# Altium PCB host_board.PcbDoc (part 3 of 8)
Units mm, origin at the board's own origin, x right, y up, seen from the top; angles counter-clockwise.
Board outline 87.41 x 55.77 mm, 4 copper layers (Top Layer, GND, Power, Bottom Layer), stack 1.59 mm thick; 232 components, 252 nets, 1101 pads, 689 vias.
Unrouted connection lines stored in the file: 17.
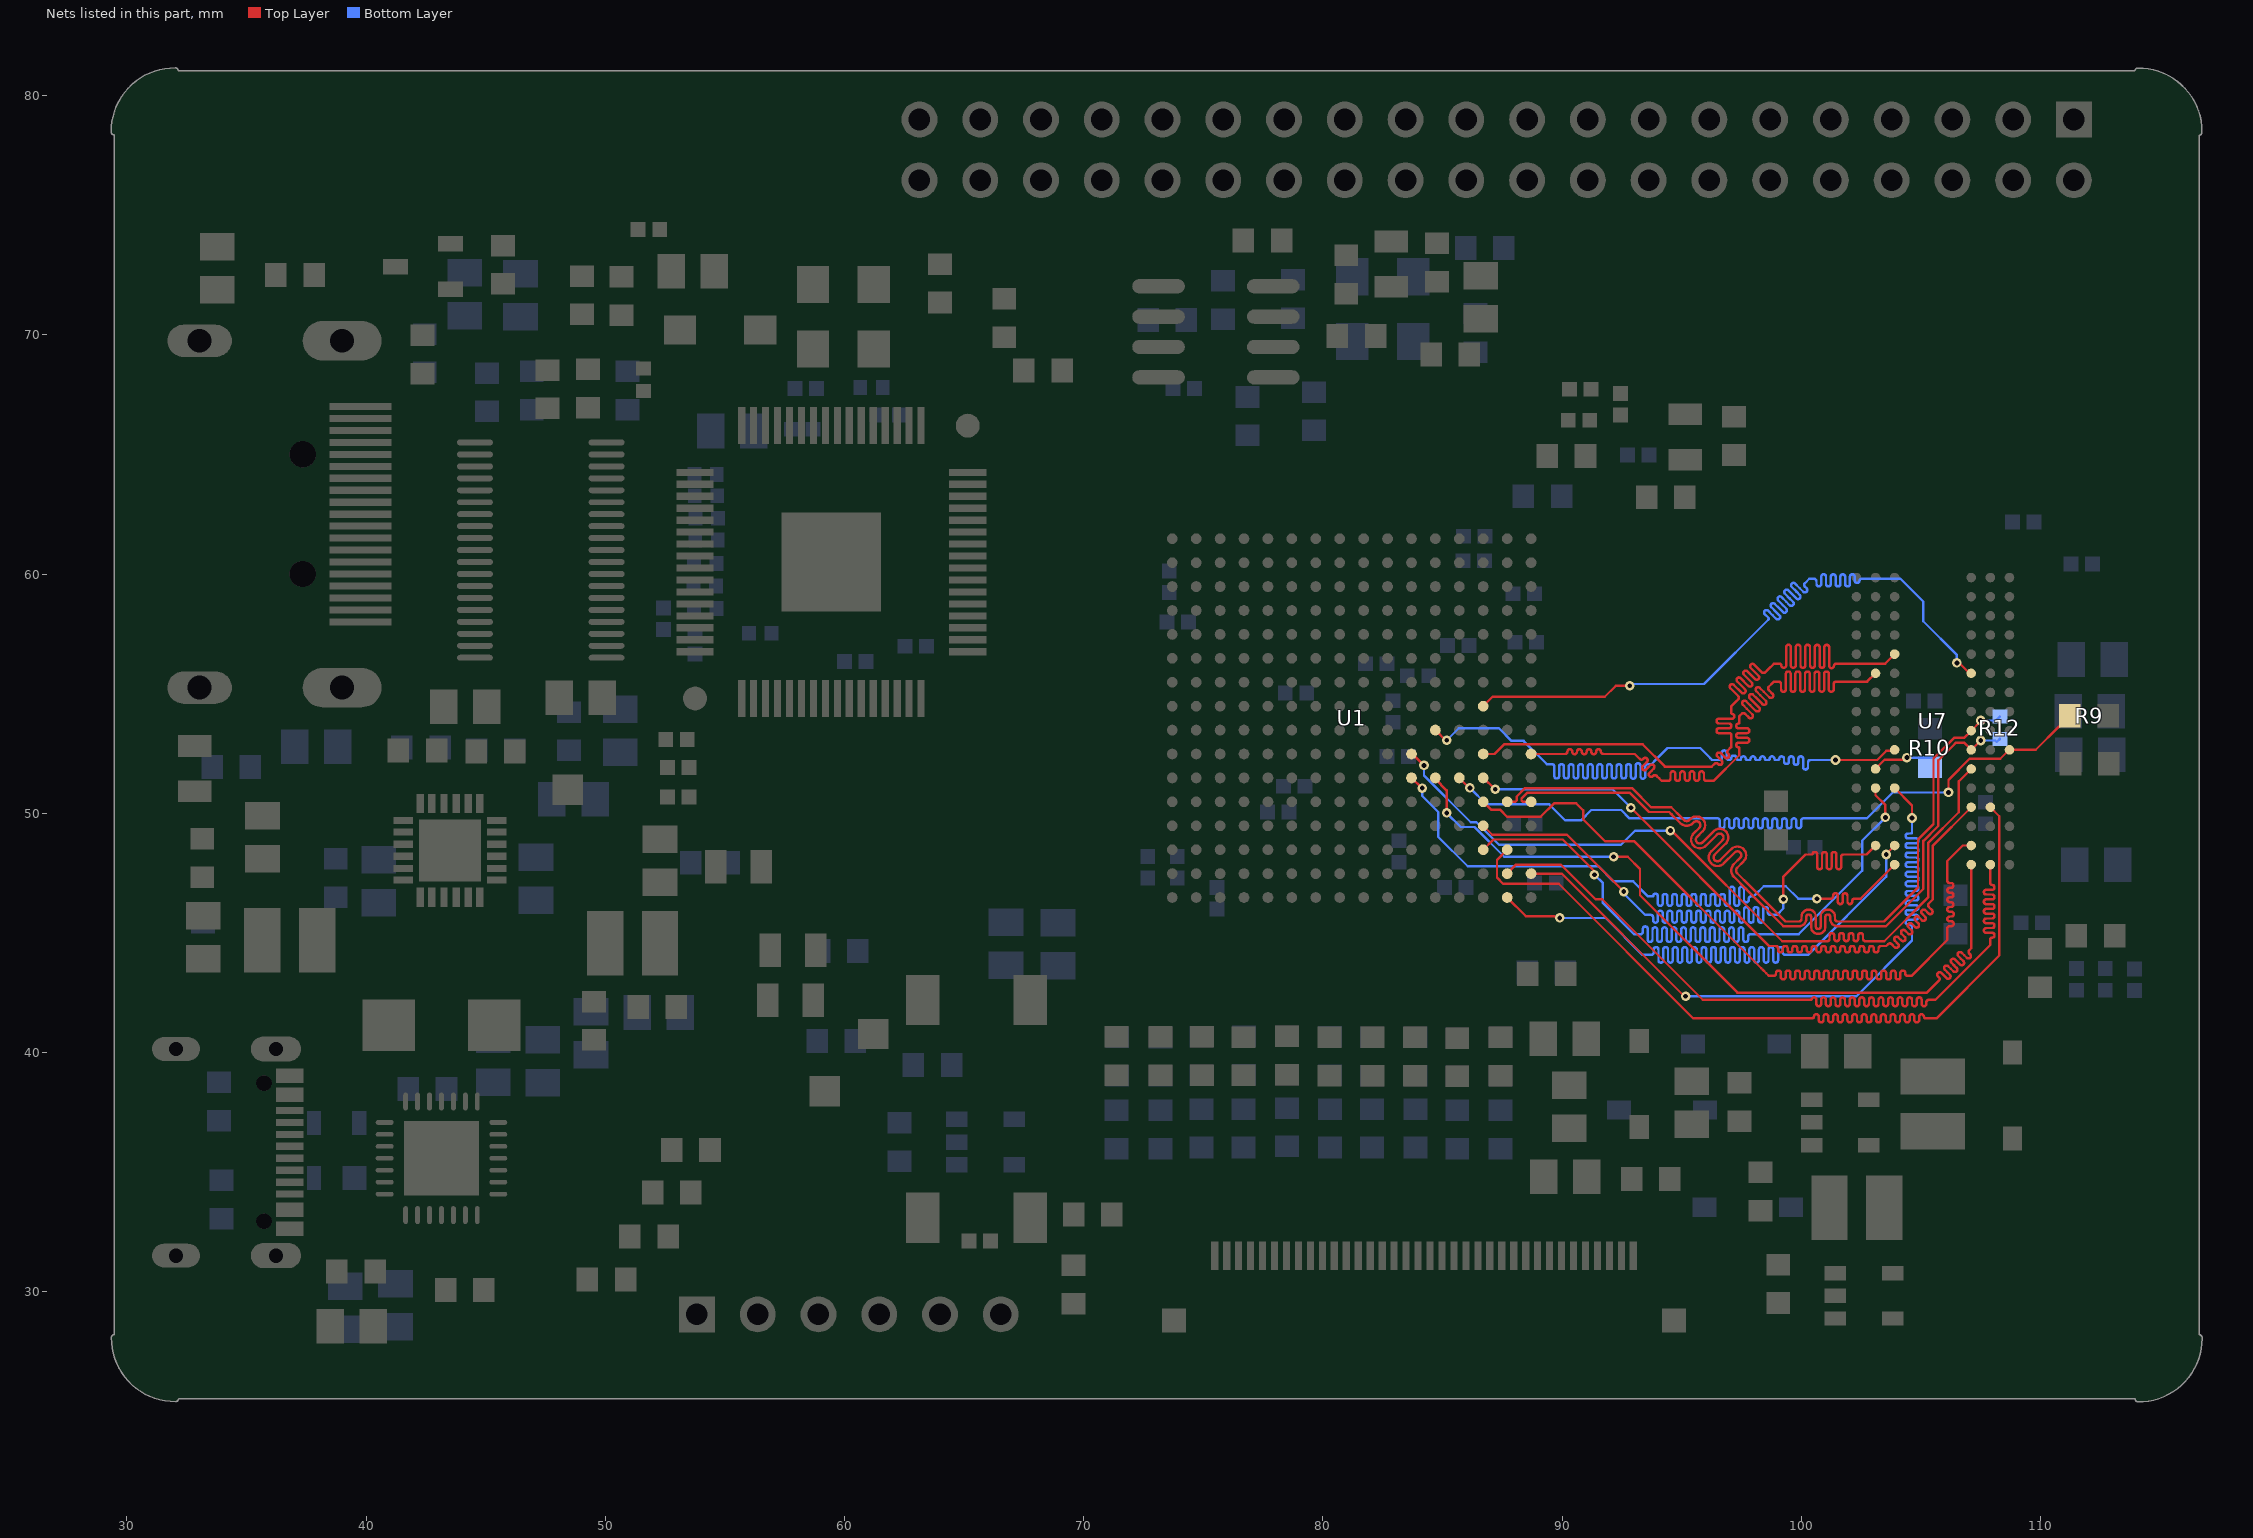
[diagram p5: the nets of this part, all layers, seen from the top]

## Via types
v1: diameter 0.4, hole 0.2, Top Layer to Bottom Layer, tented both sides, 664 vias
v2: diameter 0.5, hole 0.2, Top Layer to Bottom Layer, 9 vias
v3: diameter 0.4, hole 0.2, Top Layer to Bottom Layer, 7 vias
v4: diameter 0.4/0.4/0.4/0.4 (per signal layer), hole 0.2, Top Layer to Bottom Layer, tented both sides, 5 vias
v5: diameter 3, hole 3, Top Layer to Bottom Layer, tented both sides, 4 vias

## Nets (pads, with @x,y where several pads share a name; then routed paths per layer and width w, separated by ;. In a path a pad name is that pad's centre, name@x,y a point inside that pad or via, vN(x,y) a via of type N, cw(c..) or ccw(c..) an arc to the next point about the centre after c; other vN are vias at no path point) (continued)
DDR_A7: U1.D3 U7.R2 | length 34.5
  Top Layer w0.1: U1.D3@86.7,49.475 87.075,49.1 90.2,49.1 v1(92.575,46.725) ; v1(99.25,46.4) 99.25,47.35 100.175,48.275 100.363,48.275 100.463,48.275 100.463,48.28 cw(c100.563,48.28) 100.563,48.38 cw(c100.563,48.28) 100.663,48.28 100.663,48.275 100.663,47.756 ccw(c100.763,47.756) 100.763,47.656 ccw(c100.763,47.756) 100.863,47.756 100.863,48.275 100.863,48.28 cw(c100.963,48.28) 100.963,48.38 cw(c100.963,48.28) 101.063,48.28 101.063,48.275 101.063,47.756 ccw(c101.163,47.756) 101.163,47.656 ccw(c101.163,47.756) 101.263,47.756 101.263,48.275 101.263,48.28 cw(c101.363,48.28) 101.363,48.38 cw(c101.363,48.28) 101.463,48.28 101.463,48.275 101.463,47.756 ccw(c101.563,47.756) 101.563,47.656 ccw(c101.563,47.756) 101.663,47.756 101.663,48.175 cw(c101.763,48.175) 101.763,48.275 101.863,48.275 102,48.275 102.725,48.275 U7.R2@103.1,48.65
  Bottom Layer w0.1: v1(92.575,46.725) 92.575,46.65 93.475,45.75 93.5,45.75 93.6,45.75 93.7,45.75 cw(c93.7,45.65) 93.8,45.65 93.8,45.525 ccw(c93.9,45.525) 93.9,45.425 ccw(c93.9,45.525) 94,45.525 94,45.75 94,45.825 cw(c94.1,45.825) 94.1,45.925 cw(c94.1,45.825) 94.2,45.825 94.2,45.75 94.2,45.525 ccw(c94.3,45.525) 94.3,45.425 ccw(c94.3,45.525) 94.4,45.525 94.4,45.75 94.4,45.825 cw(c94.5,45.825) 94.5,45.925 cw(c94.5,45.825) 94.6,45.825 94.6,45.75 94.6,45.525 ccw(c94.7,45.525) 94.7,45.425 ccw(c94.7,45.525) 94.8,45.525 94.8,45.75 94.8,45.825 cw(c94.9,45.825) 94.9,45.925 cw(c94.9,45.825) 95,45.825 95,45.75 95,45.525 ccw(c95.1,45.525) 95.1,45.425 ccw(c95.1,45.525) 95.2,45.525 95.2,45.75 95.2,45.825 cw(c95.3,45.825) 95.3,45.925 cw(c95.3,45.825) 95.4,45.825 95.4,45.75 95.4,45.525 ccw(c95.5,45.525) 95.5,45.425 ccw(c95.5,45.525) 95.6,45.525 95.6,45.75 95.6,45.825 cw(c95.7,45.825) 95.7,45.925 cw(c95.7,45.825) 95.8,45.825 95.8,45.75 95.8,45.525 ccw(c95.9,45.525) 95.9,45.425 ccw(c95.9,45.525) 96,45.525 96,45.75 96,45.825 cw(c96.1,45.825) 96.1,45.925 cw(c96.1,45.825) 96.2,45.825 96.2,45.75 96.2,45.525 ccw(c96.3,45.525) 96.3,45.425 ccw(c96.3,45.525) 96.4,45.525 96.4,45.75 96.4,45.825 cw(c96.5,45.825) 96.5,45.925 cw(c96.5,45.825) 96.6,45.825 96.6,45.75 96.6,45.525 ccw(c96.7,45.525) 96.7,45.425 ccw(c96.7,45.525) 96.8,45.525 96.8,45.75 96.8,45.825 cw(c96.9,45.825) 96.9,45.925 cw(c96.9,45.825) 97,45.825 97,45.75 97,45.525 ccw(c97.1,45.525) 97.1,45.425 ccw(c97.1,45.525) 97.2,45.525 97.2,45.75 97.2,45.825 cw(c97.3,45.825) 97.3,45.925 cw(c97.3,45.825) 97.4,45.825 97.4,45.75 97.4,45.525 ccw(c97.5,45.525) 97.5,45.425 ccw(c97.5,45.525) 97.6,45.525 97.6,45.75 97.6,45.975 cw(c97.7,45.975) 97.7,46.075 cw(c97.7,45.975) 97.8,45.975 97.8,45.75 97.8,45.525 ccw(c97.9,45.525) 97.9,45.425 ccw(c97.9,45.525) 98,45.525 98,45.75 98,45.975 cw(c98.1,45.975) 98.1,46.075 cw(c98.1,45.975) 98.2,45.975 98.2,45.75 98.2,45.525 ccw(c98.3,45.525) 98.3,45.425 ccw(c98.3,45.525) 98.4,45.525 98.4,45.75 98.4,45.975 cw(c98.5,45.975) 98.5,46.075 cw(c98.5,45.975) 98.6,45.975 98.6,45.85 ccw(c98.7,45.85) 98.7,45.75 98.8,45.75 98.975,45.75 99.25,46.025 v1(99.25,46.4)
DDR_A8: U1.B2 U7.T8 | length 37.5
  Top Layer w0.1: U1.B2@87.7,47.475 88.075,47.85 89.942,47.85 91.392,46.4 91.674,46.4 95.874,42.2 100.325,42.2 100.425,42.2 cw(c100.525,42.2) 100.525,42.3 cw(c100.525,42.2) 100.625,42.2 100.625,42.031 ccw(c100.725,42.031) 100.725,41.931 ccw(c100.725,42.031) 100.825,42.031 100.825,42.2 cw(c100.925,42.2) 100.925,42.3 cw(c100.925,42.2) 101.025,42.2 101.025,42.031 ccw(c101.125,42.031) 101.125,41.931 ccw(c101.125,42.031) 101.225,42.031 101.225,42.2 cw(c101.325,42.2) 101.325,42.3 cw(c101.325,42.2) 101.425,42.2 101.425,42.031 ccw(c101.525,42.031) 101.525,41.931 ccw(c101.525,42.031) 101.625,42.031 101.625,42.2 cw(c101.725,42.2) 101.725,42.3 cw(c101.725,42.2) 101.825,42.2 101.825,42.031 ccw(c101.925,42.031) 101.925,41.931 ccw(c101.925,42.031) 102.025,42.031 102.025,42.2 cw(c102.125,42.2) 102.125,42.3 cw(c102.125,42.2) 102.225,42.2 102.225,42.031 ccw(c102.325,42.031) 102.325,41.931 ccw(c102.325,42.031) 102.425,42.031 102.425,42.2 cw(c102.525,42.2) 102.525,42.3 cw(c102.525,42.2) 102.625,42.2 102.625,42.031 ccw(c102.725,42.031) 102.725,41.931 ccw(c102.725,42.031) 102.825,42.031 102.825,42.2 cw(c102.925,42.2) 102.925,42.3 cw(c102.925,42.2) 103.025,42.2 103.025,42.031 ccw(c103.125,42.031) 103.125,41.931 ccw(c103.125,42.031) 103.225,42.031 103.225,42.2 cw(c103.325,42.2) 103.325,42.3 cw(c103.325,42.2) 103.425,42.2 103.425,42.031 ccw(c103.525,42.031) 103.525,41.931 ccw(c103.525,42.031) 103.625,42.031 103.625,42.2 cw(c103.725,42.2) 103.725,42.3 cw(c103.725,42.2) 103.825,42.2 103.825,42.031 ccw(c103.925,42.031) 103.925,41.931 ccw(c103.925,42.031) 104.025,42.031 104.025,42.2 cw(c104.125,42.2) 104.125,42.3 cw(c104.125,42.2) 104.225,42.2 104.225,42.031 ccw(c104.325,42.031) 104.325,41.931 ccw(c104.325,42.031) 104.425,42.031 104.425,42.2 cw(c104.525,42.2) 104.525,42.3 cw(c104.525,42.2) 104.625,42.2 104.625,42.031 ccw(c104.725,42.031) 104.725,41.931 ccw(c104.725,42.031) 104.825,42.031 104.825,42.2 cw(c104.925,42.2) 104.925,42.3 cw(c104.925,42.2) 105.025,42.2 105.025,42.031 ccw(c105.125,42.031) 105.125,41.931 ccw(c105.125,42.031) 105.225,42.031 105.225,42.1 cw(c105.325,42.1) 105.325,42.2 105.372,42.2 105.6,42.2 107.9,44.5 107.9,44.675 107.9,44.725 cw(c107.975,44.725) 107.975,44.8 ccw(c107.975,44.9) 108.075,44.9 ccw(c107.975,44.9) 107.975,45 107.9,45 107.731,45 cw(c107.731,45.1) 107.631,45.1 cw(c107.731,45.1) 107.731,45.2 107.9,45.2 107.975,45.2 ccw(c107.975,45.3) 108.075,45.3 ccw(c107.975,45.3) 107.975,45.4 107.9,45.4 107.731,45.4 cw(c107.731,45.5) 107.631,45.5 cw(c107.731,45.5) 107.731,45.6 107.9,45.6 107.975,45.6 ccw(c107.975,45.7) 108.075,45.7 ccw(c107.975,45.7) 107.975,45.8 107.9,45.8 107.731,45.8 cw(c107.731,45.9) 107.631,45.9 cw(c107.731,45.9) 107.731,46 107.9,46 107.975,46 ccw(c107.975,46.1) 108.075,46.1 ccw(c107.975,46.1) 107.975,46.2 107.9,46.2 107.731,46.2 cw(c107.731,46.3) 107.631,46.3 cw(c107.731,46.3) 107.731,46.4 107.9,46.4 107.975,46.4 ccw(c107.975,46.5) 108.075,46.5 ccw(c107.975,46.5) 107.975,46.6 107.9,46.6 107.731,46.6 cw(c107.731,46.7) 107.631,46.7 cw(c107.731,46.7) 107.731,46.8 107.9,46.8 107.975,46.8 ccw(c107.975,46.9) 108.075,46.9 ccw(c107.975,46.9) 107.975,47 cw(c107.975,47.075) 107.9,47.075 107.9,47.1 U7.T8@107.9,47.85
DDR_A9: U1.A2 U7.R3 | length 34.8
  Top Layer w0.1: U1.A2@87.7,46.475 88.475,45.7 89.691,45.7 89.713,45.678 89.843,45.678 v1(89.9,45.621) ; v1@103.525,48.275 U7.R3@103.9,48.65
  Bottom Layer w0.1: v1(89.9,45.621) 91.819,45.621 93.361,44.079 93.725,44.079 ccw(c93.725,44.179) 93.825,44.179 93.825,44.304 cw(c93.925,44.304) 93.925,44.404 cw(c93.925,44.304) 94.025,44.304 94.025,44.079 94.025,43.854 ccw(c94.125,43.854) 94.125,43.754 ccw(c94.125,43.854) 94.225,43.854 94.225,44.079 94.225,44.304 cw(c94.325,44.304) 94.325,44.404 cw(c94.325,44.304) 94.425,44.304 94.425,44.079 94.425,43.854 ccw(c94.525,43.854) 94.525,43.754 ccw(c94.525,43.854) 94.625,43.854 94.625,44.079 94.625,44.304 cw(c94.725,44.304) 94.725,44.404 cw(c94.725,44.304) 94.825,44.304 94.825,44.079 94.825,43.854 ccw(c94.925,43.854) 94.925,43.754 ccw(c94.925,43.854) 95.025,43.854 95.025,44.079 95.025,44.304 cw(c95.125,44.304) 95.125,44.404 cw(c95.125,44.304) 95.225,44.304 95.225,44.079 95.225,43.854 ccw(c95.325,43.854) 95.325,43.754 ccw(c95.325,43.854) 95.425,43.854 95.425,44.079 95.425,44.304 cw(c95.525,44.304) 95.525,44.404 cw(c95.525,44.304) 95.625,44.304 95.625,44.079 95.625,43.854 ccw(c95.725,43.854) 95.725,43.754 ccw(c95.725,43.854) 95.825,43.854 95.825,44.079 95.825,44.304 cw(c95.925,44.304) 95.925,44.404 cw(c95.925,44.304) 96.025,44.304 96.025,44.079 96.025,43.854 ccw(c96.125,43.854) 96.125,43.754 ccw(c96.125,43.854) 96.225,43.854 96.225,44.079 96.225,44.304 cw(c96.325,44.304) 96.325,44.404 cw(c96.325,44.304) 96.425,44.304 96.425,44.079 96.425,43.854 ccw(c96.525,43.854) 96.525,43.754 ccw(c96.525,43.854) 96.625,43.854 96.625,44.079 96.625,44.304 cw(c96.725,44.304) 96.725,44.404 cw(c96.725,44.304) 96.825,44.304 96.825,44.079 96.825,43.854 ccw(c96.925,43.854) 96.925,43.754 ccw(c96.925,43.854) 97.025,43.854 97.025,44.079 97.025,44.304 cw(c97.125,44.304) 97.125,44.404 cw(c97.125,44.304) 97.225,44.304 97.225,44.079 97.225,43.854 ccw(c97.325,43.854) 97.325,43.754 ccw(c97.325,43.854) 97.425,43.854 97.425,44.079 97.425,44.304 cw(c97.525,44.304) 97.525,44.404 cw(c97.525,44.304) 97.625,44.304 97.625,44.079 97.625,43.854 ccw(c97.725,43.854) 97.725,43.754 ccw(c97.725,43.854) 97.825,43.854 97.825,44.079 97.825,44.304 cw(c97.925,44.304) 97.925,44.404 cw(c97.925,44.304) 98.025,44.304 98.025,44.079 98.025,43.854 ccw(c98.125,43.854) 98.125,43.754 ccw(c98.125,43.854) 98.225,43.854 98.225,44.079 98.225,44.304 cw(c98.325,44.304) 98.325,44.404 cw(c98.325,44.304) 98.425,44.304 98.425,44.079 98.425,43.854 ccw(c98.525,43.854) 98.525,43.754 ccw(c98.525,43.854) 98.625,43.854 98.625,44.079 98.625,44.304 cw(c98.725,44.304) 98.725,44.404 cw(c98.725,44.304) 98.825,44.304 98.825,44.079 98.825,43.854 ccw(c98.925,43.854) 98.925,43.754 ccw(c98.925,43.854) 99.025,43.854 99.025,44.079 99.025,44.304 cw(c99.125,44.304) 99.125,44.404 cw(c99.125,44.304) 99.225,44.304 99.225,44.179 ccw(c99.325,44.179) 99.325,44.079 99.4,44.079 100.279,44.079 103.55,47.35 v1(103.55,48.275)
DDR_A10: U1.G6 U7.L7 | length 34.5
  Top Layer w0.1: U1.G6@83.7,52.475 83.75,52.475 v1(84.225,52) ; v1(94.525,49.275) 94.575,49.275 99.2,44.65 101.077,44.65 ccw(c101.077,44.75) 101.177,44.75 101.177,44.889 cw(c101.277,44.889) 101.277,44.989 cw(c101.277,44.889) 101.377,44.889 101.377,44.75 ccw(c101.477,44.75) 101.477,44.65 ccw(c101.477,44.75) 101.577,44.75 101.577,44.889 cw(c101.677,44.889) 101.677,44.989 cw(c101.677,44.889) 101.777,44.889 101.777,44.75 ccw(c101.877,44.75) 101.877,44.65 ccw(c101.877,44.75) 101.977,44.75 101.977,44.889 cw(c102.077,44.889) 102.077,44.989 cw(c102.077,44.889) 102.177,44.889 102.177,44.75 ccw(c102.277,44.75) 102.277,44.65 ccw(c102.277,44.75) 102.377,44.75 102.377,44.889 cw(c102.477,44.889) 102.477,44.989 cw(c102.477,44.889) 102.577,44.889 102.577,44.75 ccw(c102.677,44.75) 102.677,44.65 102.777,44.65 102.977,44.65 103.087,44.65 103.125,44.65 103.467,44.65 105.3,46.483 105.3,48.759 106.58,50.039 106.58,51.33 U7.L7@107.1,51.85
  Bottom Layer w0.1: v1(84.225,52) 84.225,51.575 86.175,49.625 86.418,49.625 87.368,48.675 92.452,48.675 93.052,49.275 v1(94.525,49.275)
DDR_A11: U1.E3 U7.R7 | length 37.8
  Top Layer w0.1: U1.E3@86.7,50.475 87.025,50.15 87.395,50.15 87.695,49.85 89.1,49.85 89.662,50.412 90.588,50.412 90.875,50.125 90.875,49.75 91.804,48.821 93.022,48.821 98.322,43.52 98.393,43.45 98.534,43.308 98.641,43.202 98.741,43.202 98.841,43.202 ccw(c98.841,43.302) 98.941,43.302 98.941,43.325 cw(c99.041,43.325) 99.041,43.425 cw(c99.041,43.325) 99.141,43.325 99.141,43.202 99.141,43.15 ccw(c99.241,43.15) 99.241,43.05 ccw(c99.241,43.15) 99.341,43.15 99.341,43.202 99.341,43.325 cw(c99.441,43.325) 99.441,43.425 cw(c99.441,43.325) 99.541,43.325 99.541,43.202 99.541,43.15 ccw(c99.641,43.15) 99.641,43.05 ccw(c99.641,43.15) 99.741,43.15 99.741,43.202 99.741,43.325 cw(c99.841,43.325) 99.841,43.425 cw(c99.841,43.325) 99.941,43.325 99.941,43.202 99.941,43.15 ccw(c100.041,43.15) 100.041,43.05 ccw(c100.041,43.15) 100.141,43.15 100.141,43.202 100.141,43.325 cw(c100.241,43.325) 100.241,43.425 cw(c100.241,43.325) 100.341,43.325 100.341,43.202 100.341,43.15 ccw(c100.441,43.15) 100.441,43.05 ccw(c100.441,43.15) 100.541,43.15 100.541,43.202 100.541,43.325 cw(c100.641,43.325) 100.641,43.425 cw(c100.641,43.325) 100.741,43.325 100.741,43.202 100.741,43.15 ccw(c100.841,43.15) 100.841,43.05 ccw(c100.841,43.15) 100.941,43.15 100.941,43.202 100.941,43.325 cw(c101.041,43.325) 101.041,43.425 cw(c101.041,43.325) 101.141,43.325 101.141,43.202 101.141,43.15 ccw(c101.241,43.15) 101.241,43.05 ccw(c101.241,43.15) 101.341,43.15 101.341,43.202 101.341,43.325 cw(c101.441,43.325) 101.441,43.425 cw(c101.441,43.325) 101.541,43.325 101.541,43.202 101.541,43.15 ccw(c101.641,43.15) 101.641,43.05 ccw(c101.641,43.15) 101.741,43.15 101.741,43.202 101.741,43.325 cw(c101.841,43.325) 101.841,43.425 cw(c101.841,43.325) 101.941,43.325 101.941,43.202 101.941,43.15 ccw(c102.041,43.15) 102.041,43.05 ccw(c102.041,43.15) 102.141,43.15 102.141,43.202 102.141,43.325 cw(c102.241,43.325) 102.241,43.425 cw(c102.241,43.325) 102.341,43.325 102.341,43.202 102.341,43.15 ccw(c102.441,43.15) 102.441,43.05 ccw(c102.441,43.15) 102.541,43.15 102.541,43.202 102.541,43.325 cw(c102.641,43.325) 102.641,43.425 cw(c102.641,43.325) 102.741,43.325 102.741,43.202 102.741,43.15 ccw(c102.841,43.15) 102.841,43.05 ccw(c102.841,43.15) 102.941,43.15 102.941,43.202 102.941,43.325 cw(c103.041,43.325) 103.041,43.425 cw(c103.041,43.325) 103.141,43.325 103.141,43.202 103.141,43.15 ccw(c103.241,43.15) 103.241,43.05 ccw(c103.241,43.15) 103.341,43.15 103.341,43.202 103.341,43.325 cw(c103.441,43.325) 103.441,43.425 cw(c103.441,43.325) 103.541,43.325 103.541,43.202 103.541,43.15 ccw(c103.641,43.15) 103.641,43.05 ccw(c103.641,43.15) 103.741,43.15 103.741,43.202 103.741,43.325 cw(c103.841,43.325) 103.841,43.425 cw(c103.841,43.325) 103.941,43.325 103.941,43.202 103.941,43.15 ccw(c104.041,43.15) 104.041,43.05 ccw(c104.041,43.15) 104.141,43.15 104.141,43.202 104.141,43.325 cw(c104.241,43.325) 104.241,43.425 cw(c104.241,43.325) 104.341,43.325 104.341,43.302 ccw(c104.441,43.302) 104.441,43.202 104.51,43.202 104.602,43.202 106.1,44.7 106.1,44.98 106.1,45.08 106.1,45.18 cw(c106.2,45.18) 106.2,45.28 106.269,45.28 ccw(c106.269,45.38) 106.369,45.38 ccw(c106.269,45.38) 106.269,45.48 106.2,45.48 cw(c106.2,45.58) 106.1,45.58 cw(c106.2,45.58) 106.2,45.68 106.269,45.68 ccw(c106.269,45.78) 106.369,45.78 ccw(c106.269,45.78) 106.269,45.88 106.2,45.88 cw(c106.2,45.98) 106.1,45.98 cw(c106.2,45.98) 106.2,46.08 106.254,46.08 ccw(c106.254,46.18) 106.354,46.18 ccw(c106.254,46.18) 106.254,46.28 106.2,46.28 cw(c106.2,46.38) 106.1,46.38 cw(c106.2,46.38) 106.2,46.48 106.254,46.48 ccw(c106.254,46.58) 106.354,46.58 ccw(c106.254,46.58) 106.254,46.68 106.2,46.68 cw(c106.2,46.78) 106.1,46.78 cw(c106.2,46.78) 106.2,46.88 106.254,46.88 ccw(c106.254,46.98) 106.354,46.98 ccw(c106.254,46.98) 106.254,47.08 106.2,47.08 cw(c106.2,47.18) 106.1,47.18 106.1,47.28 106.1,47.48 106.1,47.52 106.1,48.004 106.746,48.65 U7.R7@107.1,48.65
DDR_A12: U1.F3 U7.N7 | length 34.6
  Top Layer w0.1: U1.F3@86.7,51.475 86.712,51.475 87.187,51 v1(87.2,51) ; v1(92.875,50.225) 98.65,44.45 98.9,44.45 98.925,44.45 cw(c98.925,44.35) 99.025,44.35 99.025,44.281 ccw(c99.125,44.281) 99.125,44.181 ccw(c99.125,44.281) 99.225,44.281 99.225,44.35 cw(c99.325,44.35) 99.325,44.45 cw(c99.325,44.35) 99.425,44.35 99.425,44.281 ccw(c99.525,44.281) 99.525,44.181 ccw(c99.525,44.281) 99.625,44.281 99.625,44.35 cw(c99.725,44.35) 99.725,44.45 cw(c99.725,44.35) 99.825,44.35 99.825,44.281 ccw(c99.925,44.281) 99.925,44.181 ccw(c99.925,44.281) 100.025,44.281 100.025,44.35 cw(c100.125,44.35) 100.125,44.45 cw(c100.125,44.35) 100.225,44.35 100.225,44.281 ccw(c100.325,44.281) 100.325,44.181 ccw(c100.325,44.281) 100.425,44.281 100.425,44.35 cw(c100.525,44.35) 100.525,44.45 cw(c100.525,44.35) 100.625,44.35 100.625,44.281 ccw(c100.725,44.281) 100.725,44.181 ccw(c100.725,44.281) 100.825,44.281 100.825,44.35 cw(c100.925,44.35) 100.925,44.45 cw(c100.925,44.35) 101.025,44.35 101.025,44.281 ccw(c101.125,44.281) 101.125,44.181 ccw(c101.125,44.281) 101.225,44.281 101.225,44.35 cw(c101.325,44.35) 101.325,44.45 cw(c101.325,44.35) 101.425,44.35 101.425,44.281 ccw(c101.525,44.281) 101.525,44.181 ccw(c101.525,44.281) 101.625,44.281 101.625,44.35 cw(c101.725,44.35) 101.725,44.45 cw(c101.725,44.35) 101.825,44.35 101.825,44.281 ccw(c101.925,44.281) 101.925,44.181 ccw(c101.925,44.281) 102.025,44.281 102.025,44.35 cw(c102.125,44.35) 102.125,44.45 cw(c102.125,44.35) 102.225,44.35 102.225,44.281 ccw(c102.325,44.281) 102.325,44.181 ccw(c102.325,44.281) 102.425,44.281 102.425,44.35 cw(c102.525,44.35) 102.525,44.45 cw(c102.525,44.35) 102.625,44.35 102.625,44.281 ccw(c102.725,44.281) 102.725,44.181 ccw(c102.725,44.281) 102.825,44.281 102.825,44.35 cw(c102.925,44.35) 102.925,44.45 cw(c102.925,44.35) 103.025,44.35 103.025,44.281 ccw(c103.125,44.281) 103.125,44.181 ccw(c103.125,44.281) 103.225,44.281 103.225,44.35 cw(c103.325,44.35) 103.325,44.45 103.55,44.45 103.625,44.525 103.628,44.528 cw(c103.699,44.457) 103.769,44.528 103.9,44.398 ccw(c103.97,44.468) 104.041,44.398 ccw(c103.97,44.468) 104.041,44.539 103.911,44.669 cw(c103.981,44.74) 103.911,44.811 cw(c103.981,44.74) 104.052,44.811 104.183,44.68 ccw(c104.253,44.751) 104.324,44.68 ccw(c104.253,44.751) 104.324,44.822 104.194,44.952 cw(c104.264,45.023) 104.194,45.094 cw(c104.264,45.023) 104.335,45.094 104.465,44.963 ccw(c104.536,45.034) 104.607,44.963 ccw(c104.536,45.034) 104.607,45.105 104.476,45.235 cw(c104.547,45.306) 104.476,45.376 cw(c104.547,45.306) 104.618,45.376 104.748,45.246 ccw(c104.819,45.317) 104.89,45.246 ccw(c104.819,45.317) 104.89,45.387 104.759,45.518 cw(c104.83,45.589) 104.759,45.659 cw(c104.83,45.589) 104.901,45.659 105.031,45.529 ccw(c105.102,45.6) 105.173,45.529 ccw(c105.102,45.6) 105.173,45.67 105.042,45.801 cw(c105.113,45.871) 105.042,45.942 cw(c105.113,45.871) 105.184,45.942 105.314,45.812 ccw(c105.385,45.882) 105.455,45.812 ccw(c105.385,45.882) 105.455,45.953 105.325,46.084 cw(c105.396,46.154) 105.325,46.225 105.5,46.4 105.5,48.65 U7.N7@107.1,50.25
  Bottom Layer w0.1: v1(87.2,51) 92.1,51 v1(92.875,50.225)
DDR_A13: U1.F6 U7.T3 | length 34.6
  Top Layer w0.1: U1.F6@83.7,51.475 83.713,51.475 84.137,51.05 v1(84.15,51.05) ; v1(100.65,46.425) 101.176,46.425 101.226,46.425 ccw(c101.226,46.525) 101.326,46.525 101.326,46.552 cw(c101.426,46.552) 101.526,46.552 101.526,46.299 ccw(c101.626,46.299) 101.726,46.299 101.726,46.552 cw(c101.826,46.552) 101.926,46.552 101.926,46.299 ccw(c102.026,46.299) 102.126,46.299 102.126,46.325 cw(c102.226,46.325) 102.226,46.425 102.452,46.425 102.475,46.425 U7.T3@103.9,47.85
  Bottom Layer w0.1: v1(84.15,51.05) 84.15,50.721 84.821,50.05 84.821,49.009 86.05,47.78 91.52,47.78 92.15,47.15 92.968,47.15 93.593,46.525 93.7,46.525 93.8,46.525 93.8,46.534 cw(c93.9,46.534) 93.9,46.634 cw(c93.9,46.534) 94,46.534 94,46.525 94,46.225 ccw(c94.1,46.225) 94.1,46.125 ccw(c94.1,46.225) 94.2,46.225 94.2,46.525 cw(c94.298,46.525) 94.298,46.623 94.302,46.623 cw(c94.302,46.525) 94.4,46.525 94.4,46.225 ccw(c94.5,46.225) 94.5,46.125 ccw(c94.5,46.225) 94.6,46.225 94.6,46.525 cw(c94.698,46.525) 94.698,46.623 94.702,46.623 cw(c94.702,46.525) 94.8,46.525 94.8,46.225 ccw(c94.9,46.225) 94.9,46.125 ccw(c94.9,46.225) 95,46.225 95,46.525 cw(c95.098,46.525) 95.098,46.623 95.102,46.623 cw(c95.102,46.525) 95.2,46.525 95.2,46.225 ccw(c95.3,46.225) 95.3,46.125 ccw(c95.3,46.225) 95.4,46.225 95.4,46.525 cw(c95.498,46.525) 95.498,46.623 95.502,46.623 cw(c95.502,46.525) 95.6,46.525 95.6,46.225 ccw(c95.7,46.225) 95.7,46.125 ccw(c95.7,46.225) 95.8,46.225 95.8,46.525 cw(c95.898,46.525) 95.898,46.623 95.902,46.623 cw(c95.902,46.525) 96,46.525 96,46.225 ccw(c96.1,46.225) 96.1,46.125 ccw(c96.1,46.225) 96.2,46.225 96.2,46.525 cw(c96.298,46.525) 96.298,46.623 96.302,46.623 cw(c96.302,46.525) 96.4,46.525 96.4,46.225 ccw(c96.5,46.225) 96.5,46.125 ccw(c96.5,46.225) 96.6,46.225 96.6,46.525 cw(c96.698,46.525) 96.698,46.623 96.702,46.623 cw(c96.702,46.525) 96.8,46.525 96.8,46.225 ccw(c96.9,46.225) 96.9,46.125 ccw(c96.9,46.225) 97,46.225 97,46.525 97,46.825 cw(c97.1,46.825) 97.1,46.925 cw(c97.1,46.825) 97.2,46.825 97.2,46.525 97.2,46.225 ccw(c97.3,46.225) 97.3,46.125 ccw(c97.3,46.225) 97.4,46.225 97.4,46.525 97.4,46.825 cw(c97.5,46.825) 97.5,46.925 cw(c97.5,46.825) 97.6,46.825 97.6,46.525 97.6,46.375 ccw(c97.7,46.375) 97.7,46.275 ccw(c97.7,46.375) 97.8,46.375 97.8,46.425 cw(c97.9,46.425) 97.9,46.525 98,46.525 98.071,46.596 98.075,46.6 98.425,46.95 99.348,46.95 99.873,46.425 v1(100.65,46.425)